# Allegro board controller_layout.brd (continued)
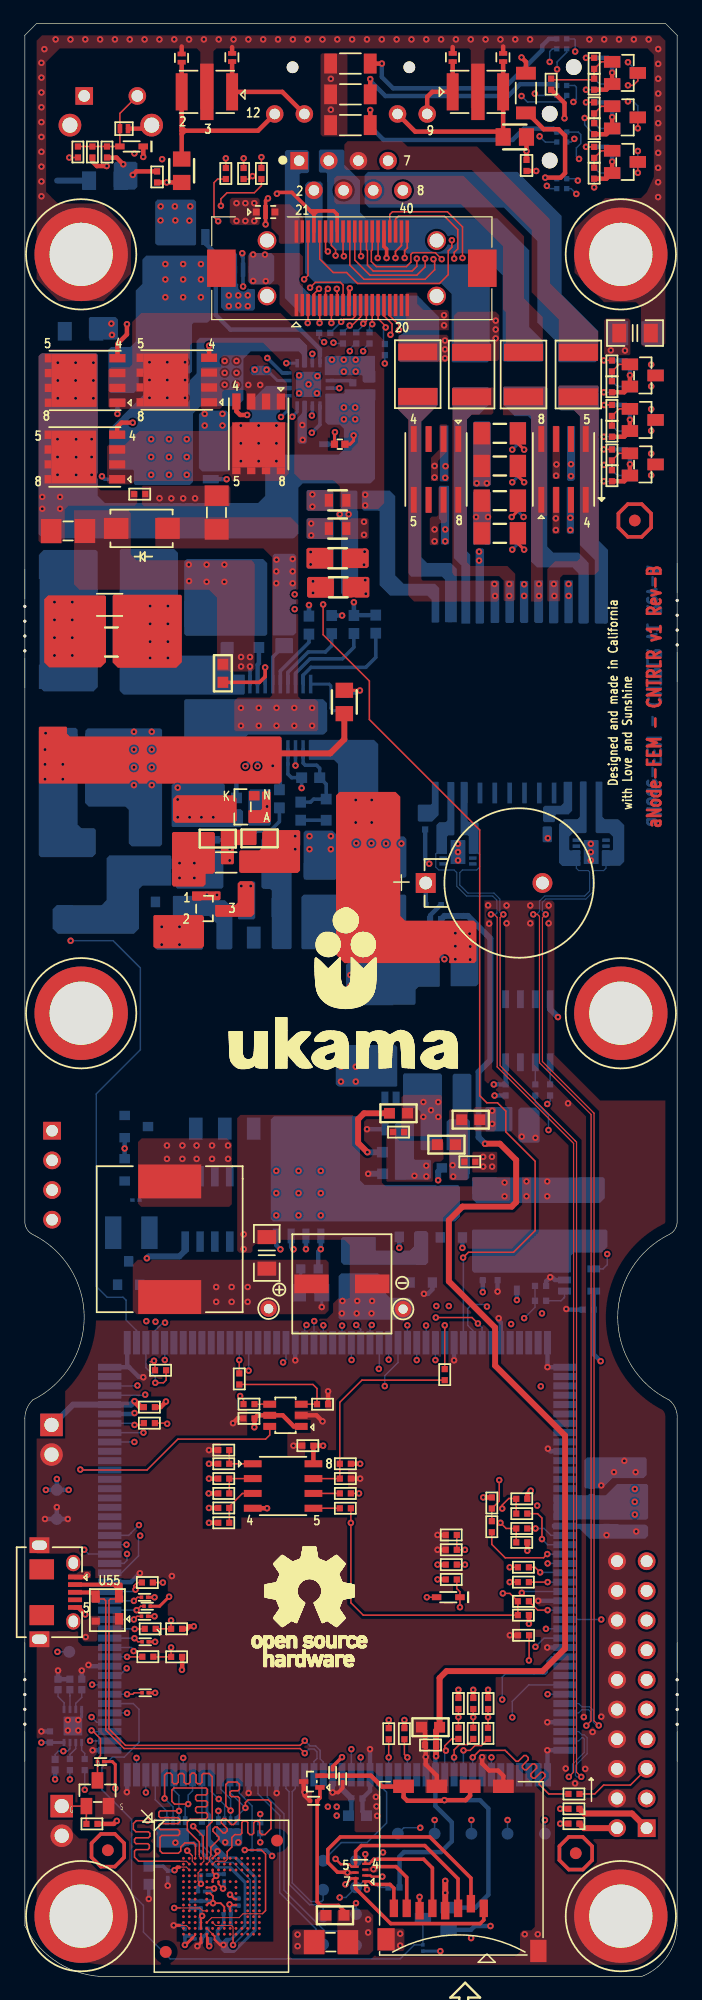
[diagram p0: board, top side]
## Library data of the parts
BT1 = BATTERY
C1 C2 = CAP_CER_X2Y_0603_100pF_20%
C3-C5 C15 C17 C25-C28 C30 C39 C40 C48 C49 C55 = CAP_CER_0.1UF_10V_10%_X5R_0402
C6 C23 = NFM18PC
C7 C22 C24 = CAP_CER_0.1UF_10V_10%_X5R_0402: Tolerance: tol*
C8-C12 C31 C32 C34 C35 C37 C38 C41 C43 C45-C47 = CAP_0.1uF_16V
C13 C42 = CAP_0.1uF_16V: Tolerance: tol*
C14 C29 C33 C36 = CAP
C16 = CAP CER 0.1UF 25V 10% X7R 0402
C18 C50 C52 C57 = C0603 2_0.2
C19 C44 C51 C53 C54 C56 = C0402_100nF
C20 C21 C58-C71 = C
CN1 = SD_MICRO_MSPN09-X0-1002_3
D1-D5 = SMDJ36CA
D6 D9 D23 = RB751S40
D7 D13 = SMAJ60A
D8 = BAS316,115_6
D10 = D5V0L2B3T
D11 = MMSZ5254B-7-F_8
D12 = DIODE_SCHOTTKY
D14 = BAS316,115_9
D15 = BAS316,115_8
D17 = AS431ANTR_G1_3
D18 = BAS316,115_7
D19 = BAV99/SOT_1
D20 = BAS316,115_5
D21 D22 = BZX84C12/SOT_0
D10118 D10119 = RB751S40_0
F1-F4 F6-F8 = FUSE_0
F5 = FUSE_2
FB1-FB4 = FB_1
J1 = FX23L-50-P-0_0.5SV10
J2 = DX4R205JJAR1800_0
J3 = RJ45_CONN_0
J4 = CONN HDR 4 PIN_0
J5 = eJTAG Header_5
JP1 JP2 = Header_1X2: room: DCDC-BOOST
L1-L3 = INDUCTOR IRON/SM
LED1 = 5977717507F_0
LED2 LED3 = LED_GREEN
M1 M3 = FDMC8327L_7
M2 = FDMC8327L_2
MH1-MH6 = Mounting_Hole_0
NR1 NR2 = RES_ARRAY2
Q1-Q4 Q7 Q10 Q12-Q14 Q16 Q18 Q21 Q54 Q55 = DMG1012T_7_NFet
Q5 Q6 Q8 Q9 Q15 Q17 Q19 Q20 = FDMC8327L_0
Q11 = MOSFET N-SO8_0
Q22 = MMBTA06LT3G_0
Q23 = MMBTA06LT3G_1
R1 R2 R4-R7 R12 R15-R18 R20 R24 R44 R96 R98 R100 R102 R105 R109 = RES_0ohm_0402_63mW
R3 R8 R14 R19 R21 R26 R45 R46 R55 R56 R63 R73 R76 R80 R89 R95 R97 R99 R101 R104 R107 R144 R145 R10791 R10792 R10795 = R0402 10K
R9 R13 R22 R25 R27-R32 R106 R108 R110 R111 R134-R137 = R_1
R10 R33-R40 R93 R94 R112-R122 R126-R129 R132 = RES_0.0_OHM_1/16W_0402_SMD
R11 R64 R65 R77 R82-R84 R130 R131 = RES_10K_OHM_1/16W_1%_0402_SMD
R23 = 100K-1/16W-5%-0603_0
R41 R42 R47 R54 R59 R61 R62 R66 R68 R71 R75 R79 R88 R124 R125 R133 R139 R141 R155-R158 R10800 = RES_0ohm_0402_1
R43 = RES_0ohm_0402_1: signal model: DEFAULT_RESISTOR_3e-012OHM_2_1
R48 = RES SMD 10K OHM 5% 1/16W 0402_0
R49 R51 R52 R60 = RES SMD 100K OHM 1% 1/16W 0402
R50 R53 R57 = RES SMD 10K OHM 5% 1/16W 0402
R58 R138 = RES_0ohm_0402_0
R67 = RES_10K_OHM_1/16W_5%_0402_SMD
R69 R140 = RES_0ohm_0402_1: signal model: RES_0OHM_0402_1_R0402_22E_22E
R70 R72 R74 R78 R81 R90 R91 R142 R143 R10793 R10794 = R
R85-R87 R92 = RES_0ohm_0402_1: signal model: RES_0OHM_0402_1_R0402_0E_0E
R103 = RES_1.0_OHM_1/16W_0402_SMD
S1 = SWITCH_0
S2 = SWITCH_2
T1 = TRANS-DA2125_5
T2 = TRAN_ISDN_0
TP1 TP2 = TP_TH_SML
TP3-TP18 = T POINT R
U1 U9 = SEP0640Q38CB_23
U2 U10 = SEP0640Q38CB_21
U3 = SN74LVC1G97DBVR
U4 = CAT24C256WI-GT3
U5 = PRTR5V0U2X
U6 = IC_TVS-ARR_6LINE_UNI_7P
U7 = EMMC_NAND_FBGA169_5
U8 = LT4321_QFN_0
U11 = TPS23754PWP
U12 = TCLAMP2502NTCT_1
U13 = TCLAMP2502NTCT_2
U14 = TPC817
U15 = ATECC508A-SSHDA
U16 = ADM6316_3
U17 = ATSAMA5D27-SOM1
U18 = SE98ATP,547_1

## Footprints (pads in the part's own frame, mm; a bottom-side part is the same pattern mirrored in y, then rotated)
AMPHENOL_MRJ-5384-M1
  round 1.001 hole 1.999 unplated: (-0.56,-8) (9.44,-8)
  rect 1.5x1.5 hole 0.9: 1(0,0)
  round 1.5 hole 0.9: 2(1.27,2.54) 3(2.54,0) 4(3.81,2.54) 5(5.08,0) 6(6.35,2.54) 7(7.62,0) 8(8.89,2.54) 9(10.97,-4) 10(8.43,-4) 11(0.45,-4) 12(-2.09,-4)
BAT_CR-1220HFN
  rect 1.702x1.702 hole 1.1: 1(0,0)
  round 1.702 hole 1.1: 2(-10,0)
BERG-4
  rect 1.52x1.52 hole 1: 1(0,0)
  round 1.52 hole 1: 2(2.54,0) 3(5.08,0) 4(7.62,0)
BERG_10X2_2_54P
  rect 1.52x1.52 hole 1.02: 1(0,0)
  round 1.52 hole 1.02: 2(0,-2.54) 3(2.54,0) 4(2.54,-2.54) 5(5.08,0) 6(5.08,-2.54) 7(7.62,0) 8(7.62,-2.54) 9(10.16,0) 10(10.16,-2.54) 11(12.7,0) 12(12.7,-2.54) 13(15.24,0) 14(15.24,-2.54) 15(17.78,0) 16(17.78,-2.54) 17(20.32,0) 18(20.32,-2.54) 19(22.86,0) 20(22.86,-2.54)
C0201
  rect 0.381x0.305 smd: 1(-0.305,0) 2(0.305,0)
C0402
  rect 0.533x0.533 smd: 1(-0.475,0) 2(0.475,0)
C0603
  rect 0.94x0.914 smd: 1(-0.775,0) 2(0.775,0)
C0805
  rect 1.15x1.45 smd: 1(-0.9,0) 2(0.9,0)
C1206
  rect 1.2x1.6 smd: 1(-1.35,0) 2(1.35,0)
CAP_2P_4_90X3_60_1_50MM
  rect 0.95x3.599 smd: 1(-2.349,0) 2(2.349,0)
CAP_2P_5_30X5_30_6_10MM
  rect 2.751x1.6 smd: 1(-2.149,0) 2(2.149,0)
CAP_2P_8_50X8_50_5_50MM
  rect 2.95x1.6 smd: 1(-2.6,0) 2(2.6,0)
CAP_2P_8_50X8_50_10_50MM
  rect 4.15x2.1 smd: 1(-3.65,0) 2(3.65,0)
CC0402
  rect 0.533x0.533 smd: 1(-0.475,0) 2(0.475,0)
CC0603
  rect 0.94x0.914 smd: 1(-0.775,0) 2(0.775,0)
CC0805
  rect 1.295x1.499 smd: 1(-1,0) 2(1,0)
CC1210
  rect 1.397x2.794 smd: 1(-1.55,0) 2(1.55,0)
CON_40P_22_50X7_90_17_10MM_P
  rect 3.2x2.45 smd: (0,11.175) (0,-11.175)
  rect 1.9x0.3 smd: 1(-3.15,4.75) 2(-3.15,4.25) 3(-3.15,3.75) 4(-3.15,3.25) 5(-3.15,2.75) 6(-3.15,2.25) 7(-3.15,1.75) 8(-3.15,1.25) 9(-3.15,0.75) 10(-3.15,0.25) 11(-3.15,-0.25) 12(-3.15,-0.75) 13(-3.15,-1.25) 14(-3.15,-1.75) 15(-3.15,-2.25) 16(-3.15,-2.75) 17(-3.15,-3.25) 18(-3.15,-3.75) 19(-3.15,-4.25) 20(-3.15,-4.75) 21(3.15,4.75) 22(3.15,4.25) 23(3.15,3.75) 24(3.15,3.25) 25(3.15,2.75) 26(3.15,2.25) 27(3.15,1.75) 28(3.15,1.25) 29(3.15,0.75) 30(3.15,0.25) 31(3.15,-0.25) 32(3.15,-0.75) 33(3.15,-1.25) 34(3.15,-1.75) 35(3.15,-2.25) 36(3.15,-2.75) 37(3.15,-3.25) 38(3.15,-3.75) 39(3.15,-4.25) 40(3.15,-4.75)
  round 1.6 hole 1.2: PC1(-2.375,7.265) PC2(-2.375,-7.265) PC3(2.375,7.265) PC4(2.375,-7.265)
DFN98X58X50-2N_NXP
  rect 0.399x0.701 smd: 1(-0.35,0) 2(0.35,0)
DO214AC_2P_2_290MM
  rect 2.101x1.801 smd: A(-2.2,0) K(2.2,0)
EMIFIL_101X43W474MV4E
  rect 1.02x3.18 smd: 1(-2.16,0) 2(2.16,0)
  rect 1.14x4.83 smd: 3(0,0)
EMIFIL_NFM18PC225B1A3B
  rect 0.6x0.6 smd: 1(-0.8,0) 3(0.8,0)
  rect 0.4x1.2 smd: 2(0,0)
FB_1206
  rect 1.76x2.06 smd: 1(-1.445,0) 2(1.445,0)
FUSE_1812L05060
  rect 1.45x3.35 smd: 1(-1.9,0) 2(1.9,0)
HTSSOP_20P_4_50X6_60_1_20MM
  rect 1.6x0.3 smd: 1(-2.8,2.925) 2(-2.8,2.275) 3(-2.8,1.625) 4(-2.8,0.975) 5(-2.8,0.325) 6(-2.8,-0.325) 7(-2.8,-0.975) 8(-2.8,-1.625) 9(-2.8,-2.275) 10(-2.8,-2.925) 11(2.8,-2.925) 12(2.8,-2.275) 13(2.8,-1.625) 14(2.8,-0.975) 15(2.8,-0.325) 16(2.8,0.325) 17(2.8,0.975) 18(2.8,1.625) 19(2.8,2.275) 20(2.8,2.925)
  rect 2.4x3.7 smd: 21(0,0)
IND_2P_5_00X5_00_3_00MM
  rect 2x5.3 smd: 1(-1.75,0) 2(1.75,0)
IND_2P_12_50X12_50_8_00MM
  rect 2.9x5.4 smd: 1(-4.95,0) 2(4.95,0)
LED_5977717507F
  rect 0.45x0.45 smd: 1(-5.56,-0.425) 2(-6.41,-0.425) 3(-6.41,0.425) 4(-5.56,0.425) 5(-1.57,-0.425) 6(-2.42,-0.425) 7(-2.42,0.425) 8(-1.57,0.425) 9(2.42,-0.425) 10(1.57,-0.425) 11(1.57,0.425) 12(2.42,0.425) 13(6.41,-0.425) 14(5.56,-0.425) 15(5.56,0.425) 16(6.41,0.425)
LED_LTST-C190
  rect 0.787x0.787 smd: A(-0.749,0) K(0.749,0)
MICROSD_ATTEND_NEW
  rect 0.711x1.499 smd: 1(8.92,1.15) 2(7.82,1.55) 3(6.72,1.15) 4(5.62,0.95) 5(4.52,1.15) 6(3.42,0.95) 7(2.32,1.15) 8(1.22,1.15)
  rect 1.778x1.143 smd: 9(2.05,11.6) 10(7.75,11.6) 11(4.9,11.6) 12(10.6,11.6)
  rect 1.473x1.905 smd: 13(0.55,-1.5)
  rect 1.397x1.905 smd: 14(13.6,-2.5)
MOD_176P_40_00X38_00_2_80MM
  rect 2x0.6 smd: 1(-19.5,16.4) 2(-19.5,15.6) 3(-19.5,14.8) 4(-19.5,14) 5(-19.5,13.2) 6(-19.5,12.4) 7(-19.5,11.6) 8(-19.5,10.8) 9(-19.5,10) 10(-19.5,9.2) 11(-19.5,8.4) 12(-19.5,7.6) 13(-19.5,6.8) 14(-19.5,6) 15(-19.5,5.2) 16(-19.5,4.4) 17(-19.5,3.6) 18(-19.5,2.8) 19(-19.5,2) 20(-19.5,1.2) 21(-19.5,0.4) 22(-19.5,-0.4) 23(-19.5,-1.2) 24(-19.5,-2) 25(-19.5,-2.8) 26(-19.5,-3.6) 27(-19.5,-4.4) 28(-19.5,-5.2) 29(-19.5,-6) 30(-19.5,-6.8) 31(-19.5,-7.6) 32(-19.5,-8.4) 33(-19.5,-9.2) 34(-19.5,-10) 35(-19.5,-10.8) 36(-19.5,-11.6) 37(-19.5,-12.4) 38(-19.5,-13.2) 39(-19.5,-14) 40(-19.5,-14.8) 41(-19.5,-15.6) 42(-19.5,-16.4) 89(19.5,-16.4) 90(19.5,-15.6) 91(19.5,-14.8) 92(19.5,-14) 93(19.5,-13.2) 94(19.5,-12.4) 95(19.5,-11.6) 96(19.5,-10.8) 97(19.5,-10) 98(19.5,-9.2) 99(19.5,-8.4) 100(19.5,-7.6) 101(19.5,-6.8) 102(19.5,-6) 103(19.5,-5.2) 104(19.5,-4.4) 105(19.5,-3.6) 106(19.5,-2.8) 107(19.5,-2) 108(19.5,-1.2) 109(19.5,-0.4) 110(19.5,0.4) 111(19.5,1.2) 112(19.5,2) 113(19.5,2.8) 114(19.5,3.6) 115(19.5,4.4) 116(19.5,5.2) 117(19.5,6) 118(19.5,6.8) 119(19.5,7.6) 120(19.5,8.4) 121(19.5,9.2) 122(19.5,10) 123(19.5,10.8) 124(19.5,11.6) 125(19.5,12.4) 126(19.5,13.2) 127(19.5,14) 128(19.5,14.8) 129(19.5,15.6) 130(19.5,16.4)
  rect 0.6x2 smd: 43(-18,-18.5) 44(-17.2,-18.5) 45(-16.4,-18.5) 46(-15.6,-18.5) 47(-14.8,-18.5) 48(-14,-18.5) 49(-13.2,-18.5) 50(-12.4,-18.5) 51(-11.6,-18.5) 52(-10.8,-18.5) 53(-10,-18.5) 54(-9.2,-18.5) 55(-8.4,-18.5) 56(-7.6,-18.5) 57(-6.8,-18.5) 58(-6,-18.5) 59(-5.2,-18.5) 60(-4.4,-18.5) 61(-3.6,-18.5) 62(-2.8,-18.5) 63(-2,-18.5) 64(-1.2,-18.5) 65(-0.4,-18.5) 66(0.4,-18.5) 67(1.2,-18.5) 68(2,-18.5) 69(2.8,-18.5) 70(3.6,-18.5) 71(4.4,-18.5) 72(5.2,-18.5) 73(6,-18.5) 74(6.8,-18.5) 75(7.6,-18.5) 76(8.4,-18.5) 77(9.2,-18.5) 78(10,-18.5) 79(10.8,-18.5) 80(11.6,-18.5) 81(12.4,-18.5) 82(13.2,-18.5) 83(14,-18.5) 84(14.8,-18.5) 85(15.6,-18.5) 86(16.4,-18.5) 87(17.2,-18.5) 88(18,-18.5) 131(18,18.5) 132(17.2,18.5) 133(16.4,18.5) 134(15.6,18.5) 135(14.8,18.5) 136(14,18.5) 137(13.2,18.5) 138(12.4,18.5) 139(11.6,18.5) 140(10.8,18.5) 141(10,18.5) 142(9.2,18.5) 143(8.4,18.5) 144(7.6,18.5) 145(6.8,18.5) 146(6,18.5) 147(5.2,18.5) 148(4.4,18.5) 149(3.6,18.5) 150(2.8,18.5) 151(2,18.5) 152(1.2,18.5) 153(0.4,18.5) 154(-0.4,18.5) 155(-1.2,18.5) 156(-2,18.5) 157(-2.8,18.5) 158(-3.6,18.5) 159(-4.4,18.5) 160(-5.2,18.5) 161(-6,18.5) 162(-6.8,18.5) 163(-7.6,18.5) 164(-8.4,18.5) 165(-9.2,18.5) 166(-10,18.5) 167(-10.8,18.5) 168(-11.6,18.5) 169(-12.4,18.5) 170(-13.2,18.5) 171(-14,18.5) 172(-14.8,18.5) 173(-15.6,18.5) 174(-16.4,18.5) 175(-17.2,18.5) 176(-18,18.5)
MTG370X800
  round 8 hole 5.41: 1(0,0)
QFN65P400X400X80-17N
  rect 0.72x0.3 smd: 1(-1.815,0.975) 2(-1.815,0.325) 3(-1.815,-0.325) 4(-1.815,-0.975) 9(1.815,-0.975) 10(1.815,-0.325) 11(1.815,0.325) 12(1.815,0.975)
  rect 0.3x0.72 smd: 5(-0.975,-1.815) 6(-0.325,-1.815) 7(0.325,-1.815) 8(0.975,-1.815) 13(0.975,1.815) 14(0.325,1.815) 15(-0.325,1.815) 16(-0.975,1.815)
  rect 2.15x2.15 smd: 17(0,0)
R0201
  rect 0.305x0.305 smd: 1(-0.267,0) 2(0.267,0)
R0402
  rect 0.533x0.533 smd: 1(-0.475,0) 2(0.475,0)
R0603
  rect 0.94x0.914 smd: 1(-0.775,0) 2(0.775,0)
R0805
  rect 1.295x1.499 smd: 1(-1,0) 2(1,0)
R1206
  rect 1.1x1.699 smd: 1(-1.699,0) 2(1.699,0)
R1210
  rect 1.397x2.794 smd: 1(-1.55,0) 2(1.55,0)
RC0402
  rect 0.62x0.62 smd: 1(-0.45,0) 2(0.45,0)
RC0603
  rect 0.711x1.092 smd: 1(-0.75,0) 2(0.75,0)
RC0805
  rect 1.295x1.499 smd: 1(-1,0) 2(1,0)
RC1206
  rect 1.397x1.905 smd: 1(-1.549,0) 2(1.549,0)
SM_2P_6_70X6_70_3_30MM
  rect 1.5x2.5 smd: 1(-3,0) 2(3,0)
SM_4_SOT143_120X55_50H
  rect 1x0.7 smd: 1(-0.75,-1)
  rect 0.6x0.7 smd: 2(0.95,-1) 3(0.95,1) 4(-0.95,1)
SM_5P_6_25X5_26_1_12MM
  rect 1.27x0.61 smd: 1(-2.67,1.905) 2(-2.67,0.635) 3(-2.67,-0.635) 4(-2.67,-1.905)
  rect 4.42x4.52 smd: 5(0.995,0)
SMA_2P_4_57X2_92_2_62MM
  rect 2.301x2.4 smd: A(2.601,0) K(-2.601,0)
SMR4X0402
  rect 0.406x0.762 smd: 1(-0.787,-0.508) 4(0.787,-0.508) 5(0.787,0.508) 8(-0.787,0.508)
  rect 0.305x0.762 smd: 2(-0.254,-0.508) 3(0.254,-0.508) 6(0.254,0.508) 7(-0.254,0.508)
SO8
  rect 0.584x1.524 smd: 1(-1.905,-2.7) 2(-0.635,-2.7) 3(0.635,-2.7) 4(1.905,-2.7) 5(1.905,2.7) 6(0.635,2.7) 7(-0.635,2.7) 8(-1.905,2.7)
SOD523F_2P_1_30X0_90_0_70MM
  rect 0.813x0.508 smd: A(1,0) K(-1,0)
SOD882_2P_0_62X1_02_0_50MM
  rect 0.4x0.8 smd: 1(-0.35,0) 2(0.35,0)
SOD2513X120N_A
  rect 0.9x0.5 smd: 1(-1.25,0) 2(1.25,0)
SODFL1608X70N_B
  rect 0.48x0.399 smd: 1(-0.66,0) 2(0.66,0)
SOIC127P600X175-8N_ON-SEMI
  rect 1.52x0.6 smd: 1(-2.6,1.905) 2(-2.6,0.635) 3(-2.6,-0.635) 4(-2.6,-1.905) 5(2.6,-1.905) 6(2.6,-0.635) 7(2.6,0.635) 8(2.6,1.905)
SOIC_8P_5_00X4_00_1_75MM_V1
  rect 1.75x0.65 smd: 1(-2.799,1.905) 2(-2.799,0.635) 3(-2.799,-0.635) 4(-2.799,-1.905) 5(2.799,-1.905) 6(2.799,-0.635) 7(2.799,0.635) 8(2.799,1.905)
SON50P260X260X65-11N
  rect 0.65x0.3 smd: 1(-1.27,1.016) 2(-1.27,0.508) 3(-1.27,0) 4(-1.27,-0.508) 5(-1.27,-1.016) 6(1.27,-1.016) 7(1.27,-0.508) 8(1.27,0) 9(1.27,0.508) 10(1.27,1.016)
  rect 1.26x2.05 smd: 11(0,0)
SON50P300X200X80-9N_NXP
  rect 0.25x0.625 smd: 1(-0.75,-1.412) 2(-0.25,-1.412) 3(0.25,-1.412) 4(0.75,-1.412) 5(0.75,1.412) 6(0.25,1.412) 7(-0.25,1.412) 8(-0.75,1.412)
  rect 1.6x1.6 smd: 9(0,0)
SON127P600X500X105-8N_TI
  rect 1.372x0.71 smd: 1(-2.77,1.905) 2(-2.77,0.635) 3(-2.77,-0.635) 4(-2.77,-1.905)
  rect 0.59x0.71 smd: 5(3.161,-1.905) 6(3.161,-0.635) 7(3.161,0.635) 8(3.161,1.905)
  rect 3.85x4.52 smd: 9(0.941,0)
SON127P600X500X163-8N
  rect 2.21x0.508 smd: 1(-2.604,1.905) 2(-2.604,0.635) 3(-2.604,-0.635) 4(-2.604,-1.905) 5(2.604,-1.905) 6(2.604,-0.635) 7(2.604,0.635) 8(2.604,1.905)
SOP259P1005X368-4N
  rect 1.56x1.389 smd: 1(-4.58,1.295) 2(-4.58,-1.295) 3(4.58,-1.295) 4(4.58,1.295)
SOT23_3P_3_04X1_40_1_11MM_ACC
  rect 0.899x0.8 smd: A(-0.95,-1.001) C(0,1.001) K(0.95,-1.001)
SOT23_3P_3_04X1_40_1_11MM_ANC
  rect 0.899x0.8 smd: A(-1.001,0.95) K(1.001,0) N(-1.001,-0.95)
SOT23_3P_3_04X1_40_1_11MM_BEC
  rect 0.899x0.8 smd: B(-1.001,0.95) C(1.001,0) E(-1.001,-0.95)
SOT23_3P_3_04X1_40_1_12MM_GSD
  rect 0.559x0.724 smd: 1(-0.95,-0.96) 2(0.95,-0.96) 3(0,1.011)
SOT23_5P_3_05X1_75_1_45MM
  rect 1.049x0.599 smd: 1(-1.349,0.95) 2(-1.349,0) 3(-1.349,-0.95) 4(1.349,-0.95) 5(1.349,0.95)
SOT23_6P_1_75X3_05_1_45MM
  rect 1.1x0.6 smd: 1(-1.35,0.95) 2(-1.35,0) 3(-1.35,-0.95) 4(1.35,-0.95) 5(1.35,0) 6(1.35,0.95)
SOT50P160X90-3N
  rect 0.4x0.8 smd: 1(-0.5,-0.7) 2(0.5,-0.7) 3(0,0.7)
SOT95P280X145-5N_B
  rect 0.6x1.1 smd: 1(-0.95,-1.25) 2(0,-1.25) 3(0.95,-1.25) 4(0.95,1.25) 5(-0.95,1.25)
SOT-23_3P_1_50X3_12_1_20MM_GSD
  rect 1x1.4 smd: D(0,1.1) G(-0.95,-1.1) S(0.95,-1.1)
SW_4P_6_00X6_00_5_23MM
  rect 1.4x2.1 smd: 1(2.25,4.549) 2(2.25,-4.549) 3(-2.25,4.549) 4(-2.25,-4.549)
SW_TL1105JAF160Q
  rect 1.508x1.508 hole 1: 1(-2.275,0)
  round 1.508 hole 1: 2(2.275,0)
  round 1.95 hole 1.3: 3(-3.5,2.5) 4(3.5,2.5)
TH_1P_0_80X1_40MM
  round 1.399 hole 0.8: 1(0,0)
TH_2_HDR2X1_100_ST_330H
  rect 1.93x1.93 hole 1.219: 1(0,0)
  round 1.93 hole 1.219: 2(0,-2.54)
TP_40C
  round 1.016 smd: 1(0,0)
TRANS_10P_13_46X16_36_12_70MM
  rect 1.88x1.17 smd: 1(-8.18,-4.96) 2(-8.18,-2.48) 3(-8.18,0) 4(-8.18,2.48) 5(-8.18,4.96) 6(8.18,4.96) 7(8.18,2.48) 8(8.18,0) 9(8.18,-2.48) 10(8.18,-4.96)
unnamed
  round 1 smd: 1(0,0)
unnamed#2
  round 0.254 hole 1.092 unplated: (-1.905,0) (1.905,0)
  round 0.254 hole 0.508 unplated: (-0.635,0) (0.635,0)
unnamed#4
  round 1.35 hole 1.45 unplated: (0,0) (4,0) (8,2.06)
USB_5P_7_70X5_20_2_65MM
  oval 1.399x1.199 hole 1.001x0.8: (-2.499,-0.15) (2.499,-0.15)
  rect 1.72x2.101 smd: (-1.961,-2.85) (1.961,-2.85)
  rect 0.399x1.199 smd: 1(-1.301,0) 2(-0.65,0) 3(0,0) 4(0.65,0) 5(1.301,0)
  rect 1.349x1.699 hole 0.8x1.301: 6(-4.026,-3.05) 7(4.026,-3.05)
WFBGA_EMMC153
  round 1.016 smd: (-4.768,-4.768) (4.768,4.768)
  round 0.24 smd: A1(-3.25,3.25) A2(-2.75,3.25) A3(-2.25,3.25) A4(-1.75,3.25) A5(-1.25,3.25) A6(-0.75,3.25) A7(-0.25,3.25) A8(0.25,3.25) A9(0.75,3.25) A10(1.25,3.25) A11(1.75,3.25) A12(2.25,3.25) A13(2.75,3.25) A14(3.25,3.25) B1(-3.25,2.75) B2(-2.75,2.75) B3(-2.25,2.75) B4(-1.75,2.75) B5(-1.25,2.75) B6(-0.75,2.75) B7(-0.25,2.75) B8(0.25,2.75) B9(0.75,2.75) B10(1.25,2.75) B11(1.75,2.75) B12(2.25,2.75) B13(2.75,2.75) B14(3.25,2.75) C1(-3.25,2.25) C2(-2.75,2.25) C3(-2.25,2.25) C4(-1.75,2.25) C5(-1.25,2.25) C6(-0.75,2.25) C7(-0.25,2.25) C8(0.25,2.25) C9(0.75,2.25) C10(1.25,2.25) C11(1.75,2.25) C12(2.25,2.25) C13(2.75,2.25) C14(3.25,2.25) D1(-3.25,1.75) D2(-2.75,1.75) D3(-2.25,1.75) D4(-1.75,1.75) D12(2.25,1.75) D13(2.75,1.75) D14(3.25,1.75) E1(-3.25,1.25) E2(-2.75,1.25) E3(-2.25,1.25) E5(-1.25,1.25) E6(-0.75,1.25) E7(-0.25,1.25) E8(0.25,1.25) E9(0.75,1.25) E10(1.25,1.25) E12(2.25,1.25) E13(2.75,1.25) E14(3.25,1.25) F1(-3.25,0.75) F2(-2.75,0.75) F3(-2.25,0.75) F5(-1.25,0.75) F10(1.25,0.75) F12(2.25,0.75) F13(2.75,0.75) F14(3.25,0.75) G1(-3.25,0.25) G2(-2.75,0.25) G3(-2.25,0.25) G5(-1.25,0.25) G10(1.25,0.25) G12(2.25,0.25) G13(2.75,0.25) G14(3.25,0.25) H1(-3.25,-0.25) H2(-2.75,-0.25) H3(-2.25,-0.25) H5(-1.25,-0.25) H10(1.25,-0.25) H12(2.25,-0.25) H13(2.75,-0.25) H14(3.25,-0.25) J1(-3.25,-0.75) J2(-2.75,-0.75) J3(-2.25,-0.75) J5(-1.25,-0.75) J10(1.25,-0.75) J12(2.25,-0.75) J13(2.75,-0.75) J14(3.25,-0.75) K1(-3.25,-1.25) K2(-2.75,-1.25) K3(-2.25,-1.25) K5(-1.25,-1.25) K6(-0.75,-1.25) K7(-0.25,-1.25) K8(0.25,-1.25) K9(0.75,-1.25) K10(1.25,-1.25) K12(2.25,-1.25) K13(2.75,-1.25) K14(3.25,-1.25) L1(-3.25,-1.75) L2(-2.75,-1.75) L3(-2.25,-1.75) L12(2.25,-1.75) L13(2.75,-1.75) L14(3.25,-1.75) M1(-3.25,-2.25) M2(-2.75,-2.25) M3(-2.25,-2.25) M4(-1.75,-2.25) M5(-1.25,-2.25) M6(-0.75,-2.25) M7(-0.25,-2.25) M8(0.25,-2.25) M9(0.75,-2.25) M10(1.25,-2.25) M11(1.75,-2.25) M12(2.25,-2.25) M13(2.75,-2.25) M14(3.25,-2.25) N1(-3.25,-2.75) N2(-2.75,-2.75) N3(-2.25,-2.75) N4(-1.75,-2.75) N5(-1.25,-2.75) N6(-0.75,-2.75) N7(-0.25,-2.75) N8(0.25,-2.75) N9(0.75,-2.75) N10(1.25,-2.75) N11(1.75,-2.75) N12(2.25,-2.75) N13(2.75,-2.75) N14(3.25,-2.75) P1(-3.25,-3.25) P2(-2.75,-3.25) P3(-2.25,-3.25) P4(-1.75,-3.25) P5(-1.25,-3.25) P6(-0.75,-3.25) P7(-0.25,-3.25) P8(0.25,-3.25) P9(0.75,-3.25) P10(1.25,-3.25) P11(1.75,-3.25) P12(2.25,-3.25) P13(2.75,-3.25) P14(3.25,-3.25)
XFMR_ETH1-460LD
  rect 1.78x0.4 smd: 1(-7.76,6.985) 2(-7.76,5.715) 3(-7.76,4.445) 4(-7.76,3.175) 5(-7.76,1.905) 6(-7.76,0.635) 7(-7.76,-0.635) 8(-7.76,-1.905) 9(-7.76,-3.175) 10(-7.76,-4.445) 11(-7.76,-5.715) 12(-7.76,-6.985) 13(7.76,-6.985) 14(7.76,-5.715) 15(7.76,-4.445) 16(7.76,-3.175) 17(7.76,-1.905) 18(7.76,-0.635) 19(7.76,0.635) 20(7.76,1.905) 21(7.76,3.175) 22(7.76,4.445) 23(7.76,5.715) 24(7.76,6.985)
XSON50P110X212X50-7N
  rect 0.53x0.2 smd: 1(-0.415,0.75) 2(-0.415,0.25) 3(-0.415,-0.25) 4(-0.415,-0.75) 5(0.415,-0.5) 6(0.415,0) 7(0.415,0.5)

## Nets
GND: BT1.2(-) C3.1 C4.2(B[0]) C5.2(B[0]) C6.2(GND) C7.2(B[0]) C13.2 C14.2 C15.1 C16.2 C17.2 C18.2 C19.2 C20.2 C21.2 C22.2(B[0]) C23.2(GND) C39.1(A[0]) C40.1(A[0]) C43.2 C44.2 C45.2 C48.1 C49.1 C50.2 C51.2 C52.2 C53.2 C54.2 C55.2(B[0]) C56.2 C57.2 C58.2 C59.2 C60.2 C61.2 C62.2 C63.2 C64.2 C65.2 C66.2 C67.2 C68.2 C69.2 C70.2 C71.2 CN1.6(VSS) CN1.11(SHIELD1) CN1.12(SHIELD2) CN1.13(SHIELD3) CN1.14(SHIELD4) D5.2 D10.3 D17.5(A) D21.A(ANODE) D22.A(ANODE) FB4.2 J1.10 J1.20 J1.24 J1.28 J1.36 J2.5(GND) J2.6(SH1) J2.7(SH2) J4.4 J5.4 J5.6 J5.8 J5.10 J5.12 J5.14 J5.16 J5.18 J5.20 JP1.2 JP2.2 LED3.K M2.1(S1) M2.2(S2) M2.3(S3) M3.1(S1) M3.2(S2) M3.3(S3) MH3.1 MH4.1 MH5.1 MH6.1 Q1.S Q2.S Q3.S Q4.S Q7.S Q10.S Q12.S Q13.S Q14.S Q16.S Q18.S Q21.S Q54.S Q55.S R3.2 R8.2 R14.2 R19.2 R21.2 R26.2 R45.2 R48.2 R52.2 R53.2 R57.2 R64.2 R77.2 R83.2 R91.1 R95.2 R97.2 R99.2 R101.2 R104.2 R107.2 R127.1 R131.2 R134.2(B[0]) R135.2(B[0]) R136.2(B[0]) S1.1 S1.3 S1.4 S2.1 S2.2 TP2.1 TP4.1(TP) U3.2(GND) U4.4(VSS) U5.1 U6.2(GND) U7.A6(VSS5) U7.C4(VSSQ1) U7.E7(VSS1) U7.G5(VSS2) U7.H10(VSS3) U7.J5(VSS6) U7.K8(VSS4) U7.N2(VSSQ2) U7.N5(VSSQ3) U7.P4(VSSQ4) U7.P6(VSSQ5) U12.11(CT) U13.11(CT) U15.4(GND) U16.2(GND) U17.1(GND_0) U17.10(GND_1) U17.18(GND_2) U17.26(GND_3) U17.31(GND_4) U17.39(GND_5) U17.42(GND_6) U17.43(GND_7) U17.50(GND_8) U17.56(GND_9) U17.62(GND_10) U17.66(GND_11) U17.69(GND_12) U17.72(GND_13) U17.75(GND_14) U17.88(GND_15) U17.89(GND_16) U17.98(GND_17) U17.107(GND_18) U17.130(GND_19) U17.131(GND_20) U17.149(GND_21) U17.166(GND_22) U17.171(GND_23) U17.176(GND_24) U18.4(VSS) U18.9(TP)
GND_SIGNAL: C9.2 C10.2 C11.2 C29.2 C33.2 C34.2 C35.2 C36.2 C41.2 C43.1 D8.K D13.K D14.A Q11.2(SRC) R36.1 R112.1 R113.1 R114.1 R115.1 R122.1 T2.5 U11.4(COM) U11.8(ARTN) U11.9(RTN) U14.3
VDD_3V3: C4.1(A[0]) C5.1(A[0]) C6.1(IN) C15.2 C16.1 C44.1 C49.2 C50.1 C51.1 C52.1 C53.1 C54.1 C55.1(A[0]) C56.1 C57.1 C59.1 C61.1 C62.1 C63.1 C64.1 C65.1 C66.1 C67.1 C68.1 C69.1 C70.1 C71.1 D6.K D23.K D10119.1(A) FB3.1 J4.1 NR1.1(N1) NR1.2(N2) NR1.3(N3) NR1.4(N4) NR2.1(N1) NR2.2(N2) NR2.3(N3) NR2.4(N4) R9.2(B[0]) R11.1 R13.2(B[0]) R46.1 R49.1 R50.1 R51.1 R55.1 R56.1 R60.1 R63.1 R65.1 R67.1 R70.2 R72.2 R73.1 R74.2 R76.1 R78.2 R80.1 R81.2 R82.1 R84.1 R89.1 R90.2 R93.2 R94.2 R130.1 R137.1(A[0]) R142.1 R143.1 R144.1 R10793.2 R10794.2 R10795.1 TP3.1(TP) U3.1(IN1) U3.5(VCC) U4.8(VCC) U7.C6(VCCQ1) U7.E6(VCC1) U7.F5(VCC2) U7.J10(VCC3) U7.K9(VCC4) U7.M4(VCCQ2) U7.N4(VCCQ3) U7.P3(VCCQ4) U7.P5(VCCQ5) U15.8(VCC) U16.5(VCC) U17.15(VDDISC) U17.16(VDDIN_3V3_1) U17.17(VDDIN_3V3_2) U17.65(VDDSDHC) U18.8(VDD)
VDD_BU: C18.1 C19.1 R145.1 R10791.1 R10792.1 U17.55(VDDBU)
B2B_3V3: C6.3(OUT) J1.21 J1.22
B2B_12V: C23.1(IN) J1.1 J1.2
BG12: Q5.4(G) U8.14(BG12)
BG36: Q8.4(G) U8.13(BG36)
BG45: Q15.4(G) U8.8(BG45)
BG78: Q19.4(G) U8.7(BG78)
CHASIS_GND: C1.3(G) C2.3(G) C7.1(A[0]) C22.1(A[0]) C24.2(B[0]) D1.2 D2.2 D3.2 D4.2 FB4.1 MH1.1 MH2.1
CONFIG_RST_SW: R10.2 U17.167(PB28)
DATA1: Q5.5(D4) Q5.6(DTAB) Q5.7(DTAB1) Q5.8(DTAB2) Q5.9(PAD) Q6.1(S1) Q6.2(S2) Q6.3(S3) R27.1(A[0]) T1.1(TD_A) U8.15(IN12)
DATA2: Q8.5(D4) Q8.6(DTAB) Q8.7(DTAB1) Q8.8(DTAB2) Q8.9(PAD) Q9.1(S1) Q9.2(S2) Q9.3(S3) R31.1(A[0]) T1.10(TD_D) U8.2(IN36)
DBGU_RXD: J4.3 R66.1
DBGU_TXD: J4.2 R68.1
DISABLE_BOOT: JP1.1 R46.2 U17.126(DIS_BOOT)
EEPROM_WP: R41.1 R50.2 R52.1 U4.7(WP)
EMMC_CLK: R140.2 R142.2 U7.M6(CLK)
EMMC_CMD: R143.2 U7.M5(CMD) U17.76(PA01)
EMMC_D0: NR2.7(N7) U7.A3(DATA0) U17.83(PA02)
EMMC_D1: NR2.8(N8) U7.A4(DATA1) U17.81(PA03)
EMMC_D2: NR2.6(N6) U7.A5(DATA2) U17.84(PA04)
EMMC_D3: NR2.5(N5) U7.B2(DATA3) U17.85(PA05)
EMMC_D4: NR1.5(N5) U7.B3(DATA4) U17.86(PA06)
EMMC_D5: NR1.6(N6) U7.B4(DATA5) U17.79(PA07)
EMMC_D6: NR1.7(N7) U7.B5(DATA6) U17.78(PA08)
EMMC_D7: NR1.8(N8) U7.B6(DATA7) U17.77(PA09)
ETH_LED0: C1.1(A) D1.1 J3.11 U17.36(ETH-LED0)
GPIO_1: TP10.1(TP) U17.22(PD06)
GPIO_2: TP9.1(TP) U17.25(PD07)
GPIO_3: TP8.1(TP) U17.28(PD08)
GPIO_4: TP6.1(TP) U17.30(PD23)
GPIO_5: TP7.1(TP) U17.29(PD24)
GPIO_6: TP5.1(TP) U17.110(PD25)
PA_DISABLE: R43.1 R45.1 U3.3(IN0)
PA_EN_CNTRL: J1.31 R44.2
PG_LDO_3P3: J1.33 U17.134(PB05)
PG_LDO_5V: J1.34 U17.127(PB06)
PG_REG_5P7V: J1.32 U17.125(PB04)
PGA_PWR_DISABLE: J1.25 U17.144(PB29)
PPD: R33.1 U11.14(PPD)
PROG_LED_B1: R109.1 U17.97(PA25)
PROG_LED_B2: R20.1 U17.92(PA12)
PROG_LED_B3: R12.1 U17.168(PB24)
PROG_LED_B4: R6.1 U17.96(PA29)
PROG_LED_G1: R102.1 U17.122(PB01)
PROG_LED_G2: R24.1 U17.82(PA10)
PROG_LED_G3: R100.1 U17.90(PA27)
PROG_LED_G4: R96.1 U17.132(PB09)
PROG_LED_R1: R18.2 U17.93(PA31)
PROG_LED_R2: R105.2 U17.87(PA11)
PROG_LED_R3: R98.2 U17.159(PB25)
PROG_LED_R4: R1.2 U17.148(PB11)
RF_EEPROM_WP: J1.23 U17.163(PB27)
RF_PWR_DETECT_F: R15.1 U17.64(COMPN)
RF_PWR_DETECT_R: R17.1 U17.63(COMPP)
RF_PWR_DISABLE: R16.1 U17.128(PB08)
RF_TEMP_ALERT: J1.35 U17.169(PB26)
RF_THERMTRIP: J1.30 U3.6(IN2) U17.119(PB00)
RX_ATTN_1DB: J1.4 U17.161(PB22)
RX_ATTN_2DB: J1.5 U17.164(PB21)
RX_ATTN_4DB: J1.6 U17.156(PB20)
RX_ATTN_8DB: J1.8 U17.152(PB18)
RX_ATTN_ENB: J1.3 U17.160(PB23)
RX_ATTN_P5DB: J1.7 U17.158(PB19)
RX_ATTN_P16DB: J1.9 U17.157(PB17)
SDHC0_CD_PA13: Q55.D R10794.1 U17.91(PA13)
SDHI_CD: Q54.D R10793.1 U17.94(PA30)
SDHI_CLK: CN1.5(CLK) R69.2 U6.4(CH3)
SDHI_CMD: CN1.3(CMD) R81.1 U6.5(CH4) U17.95(PA28)
SDHI_DAT0: CN1.7(DAT0) R70.1 U6.3(CH2) U17.105(PA18)
SDHI_DAT1: CN1.8(DAT1) R78.1 U6.1(CH1) U17.101(PA19)
SDHI_DAT2: CN1.1(DAT2) R72.1 U6.7(CH6) U17.104(PA20)
SDHI_DAT3: CN1.2(CD/DAT3) R74.1 U6.6(CH5) U17.103(PA21)
SHDN: TP15.1(TP) U17.35(SHDN)
SOM_ETH_LED: C2.1(A) D2.1 J3.9 R47.1
SOM_ETH_RX+: T1.14(XP_D) U12.1(1LNIO1) U12.2(1LNIO2) U12.3(1LNIO3) U17.38(ETH-RXP)
SOM_ETH_RX-: T1.13(XN_D) U12.8(2LNIO1) U12.9(2LNIO2) U12.10(2LNIO3) U17.37(ETH-RXM)
SOM_ETH_TX+: T1.23(XP_A) U13.8(2LNIO1) U13.9(2LNIO2) U13.10(2LNIO3) U17.41(ETH-TXP)
SOM_ETH_TX-: T1.22(XN_A) U13.1(1LNIO1) U13.2(1LNIO2) U13.3(1LNIO3) U17.40(ETH-TXM)
SOM_HSIC_DAT: TP17.1(TP) U17.74(DATA)
SOM_HSIC_STROBE: TP18.1(TP) U17.73(STROBE)
SOM_NRST: D9.A R88.2 R131.1 R133.1 R141.2
SOM_TCK: J5.9 R83.1 R86.1
SOM_TDI: J5.5 R92.1
SOM_TDO: J5.13 R84.2 R87.1
SOM_TMS: J5.7 R82.2 R85.1
SOM_USB_OCR: R89.2 U17.58(PD19)
SOM_USBA_DM: J2.2(DATA-) U5.2 U17.67(USBA_DM)
SOM_USBA_DP: J2.3(DATA+) U5.3 U17.68(USBA_DP)
SOM_USBB_DM: TP14.1(TP) U17.70(USBB_DM)
SOM_USBB_DP: TP16.1(TP) U17.71(USBB_DP)
SOM_WDI_IN: R42.1 U16.4(WDI)
SPARE1: Q15.5(D4) Q15.6(DTAB) Q15.7(DTAB1) Q15.8(DTAB2) Q15.9(PAD) Q17.1(S1) Q17.2(S2) Q17.3(S3) R32.1(A[0]) T1.7(TD_C) U8.3(IN45)
SPARE2: Q19.5(D4) Q19.6(DTAB) Q19.7(DTAB1) Q19.8(DTAB2) Q19.9(PAD) Q20.1(S1) Q20.2(S2) Q20.3(S3) R29.1(A[0]) T1.4(TD_B) U8.6(IN78)
SPI0_CLK: J1.15 R155.1
SPI0_MISO: J1.11 R157.1
SPI0_MOSI: J1.14 R156.1
SPI0_NCS0: J1.12 R158.1
SPI0_NCS1: J1.13 R10800.1
T2P: LED2.K U11.20(T2P)
TG12: Q6.4(G) U8.16(TG12)
TG36: Q9.4(G) U8.1(TG36)
TG45: Q17.4(G) U8.4(TG45)
TG78: Q20.4(G) U8.5(TG78)
THERM_ALERT: R137.2(B[0]) U17.123(PB03) U18.7(NEVENT)
TRXFE_IN_12V: C13.1 C14.1 C23.3(OUT) L1.2 R2.2 R4.2 R5.2 R7.2 R40.1 R132.2 TP1.1
TWI0_CLK: R55.2 R59.1 R125.2
TWI0_DATA: R62.1 R63.2 R124.2
TWI1_CLK: J1.40 R54.2 R56.2 R61.1 R139.1
TWI1_DATA: J1.39 R58.2 R71.1 R73.2 R138.1
TWI2_CLK: J1.38 R75.1 R76.2
TWI2_DATA: J1.37 R79.1 R80.2
TX_ATTN_8DB: J1.16 U17.162(PB15)
TX_ATTN_P16DB: J1.17 U17.154(PB16)
VC: C34.1 C36.1 L2.1 R34.2 U11.6(VC)
VPORTN: C8.2 C25.2(B[0]) FB1.2 Q5.1(S1) Q5.2(S2) Q5.3(S3) Q8.1(S1) Q8.2(S2) Q8.3(S3) Q15.1(S1) Q15.2(S2) Q15.3(S3) Q19.1(S1) Q19.2(S2) Q19.3(S3) R28.2(B[0]) R30.2(B[0]) R110.2(B[0]) R111.2(B[0]) U8.9(OUTN) U8.17(OUTN1)
VPORTP: C8.1 C25.1(A[0]) D11.1 FB2.2 Q6.5(D4) Q6.6(DTAB) Q6.7(DTAB1) Q6.8(DTAB2) Q6.9(PAD) Q9.5(D4) Q9.6(DTAB) Q9.7(DTAB1) Q9.8(DTAB2) Q9.9(PAD) Q17.5(D4) Q17.6(DTAB) Q17.7(DTAB1) Q17.8(DTAB2) Q17.9(PAD) Q20.5(D4) Q20.6(DTAB) Q20.7(DTAB1) Q20.8(DTAB2) Q20.9(PAD) R22.1(A[0]) R23.1(A[0]) R25.1(A[0]) R103.2(B[0]) R106.1(A[0]) R108.1(A[0]) U8.12(OUTP)
N00298: R114.2 U11.17(APD)
N00544: R113.2 U11.18(BLNK)
N00600: R116.2 U11.15(CLS)
N00638: C11.1 R35.1 U11.3(CS)
N00723: M1.1(S1) M1.2(S2) M1.3(S3) R35.2 R36.2
N00785: C38.2 R120.1 U11.1(CTL) U14.4
N00977: R117.1 U11.13(DEN)
N01015: C31.1 C32.1 D7.K D12.A FB2.1 R33.2 R117.2 U11.12(VDD)
N01029: R115.2 U11.16(DT)
N01180: R112.2 U11.19(FRS)
N01231: R119.1 U11.5(GATE)
N01655: C42.2 M1.5(D4) M1.6(DTAB) M1.7(DTAB1) M1.8(DTAB2) T2.2
N01732: R118.1 U11.7(GAT2)
N02001: C37.2 R118.2
N02005: C37.1 D8.A Q11.1(GTE) R122.2
N03008: C42.1 Q11.3(DRN)
N03119: M1.4(G) R119.2
N03568: C35.1 R120.2 R121.2 U11.2(VB)
N03818: C38.1 R121.1
N04034: R126.1 U14.1
N04075: D19.K R38.2 R39.2 R40.2 R126.2
N04460: C45.1 D19.C R38.1
N04575: C12.1 D17.3(K) D19.A R37.1 U14.2
N04656: C46.1 R37.2
N04680: C12.2 C46.2 D17.4(REF) R39.1 R127.2
N06278: LED3.A R132.1
N07766: D14.K D15.K L2.2
N07855: D15.A T2.4
N09594: C31.2 D7.A D13.A FB1.1 R116.1 U11.10(VSS) U11.21(PWRPD)
N10774: C9.1 C10.1 C29.1 C32.2 C33.1 D12.K L3.1 U11.11(VDD1)
N11429: C41.1 L3.2 T2.1
N12017: D20.K M2.5(D4) Q23.C(COLLECTOR) R128.1 T2.9 T2.10
N12028: C47.1 D18.K L1.1 M3.5(D4) M3.6(DTAB) M3.7(DTAB1) M3.8(DTAB2) Q22.C(COLLECTOR) R129.2 T2.6 T2.7
N12332: D18.A M2.4(G) Q22.E(EMITTER)
N12493: C47.2 D22.K(CATHODE) Q22.B(BASE) R129.1
N13989: D21.K(CATHODE) Q23.B(BASE) R128.2
N14160: D20.A M3.4(G) Q23.E(EMITTER)
N35231: LED2.A R34.1
N395134: F1.1 J3.7
N395138: F8.1 T1.3(DN_A) U10.1(LNIN) U10.8(LNOUT2)
N395142: F5.1 T1.2(DP_A) U10.4(LNIN1) U10.5(LNOUT)
N395210: C1.2(B) D4.1 J3.12 R13.1(A[0])
N395250: C24.1(A[0]) C26.2(B[0]) C27.2(B[0]) C28.2(B[0]) C30.2(B[0])
N395254: C26.1(A[0]) R27.2(B[0])
N395258: C28.1(A[0]) R31.2(B[0])
N395262: C30.1(A[0]) R32.2(B[0])
N395266: C27.1(A[0]) R29.2(B[0])
N395314: F6.2 J3.6
N395334: F7.1 T1.11(DP_D) U9.4(LNIN1) U9.5(LNOUT)
N395362: F6.1 T1.12(DN_D) U9.1(LNIN) U9.8(LNOUT2)
N395386: F7.2 J3.3
N395402: F2.1 J3.8
N395406: F4.1 J3.5
N395410: F3.1 T1.8(DP_C) U2.1(LNIN) U2.8(LNOUT2)
N395506: C2.2(B) D3.1 J3.10 R9.1(A[0])
N395776: R108.2(B[0]) U9.7(BIAS+)
N395780: F1.2 T1.5(DP_B) U1.4(LNIN1) U1.5(LNOUT)
N395784: F2.2 T1.6(DN_B) U1.1(LNIN) U1.8(LNOUT2)
N395792: F4.2 T1.9(DN_C) U2.4(LNIN1) U2.5(LNOUT)
N395800: F8.2 J3.2
N395804: F5.2 J3.1
N395816: R111.1(A[0]) U9.2(BIAS-)
N395844: F3.2 J3.4
N397188: C40.2(B[0]) T1.15(TX_D)
N397192: C39.2(B[0]) T1.24(TX_A)
N397214: R106.2(B[0]) U10.7(BIAS+)
N397226: R110.1(A[0]) U10.2(BIAS-)
N399906: D11.2 R23.2(B[0]) U8.11(EN)
N400318: R103.1(A[0]) U8.10(E\N\)
N1148675: R22.2(B[0]) U1.7(BIAS+)
N1148683: R28.1(A[0]) U1.2(BIAS-)
N1148871: R25.2(B[0]) U2.7(BIAS+)
N1148879: R30.1(A[0]) U2.2(BIAS-)
N16782839: R41.2 U17.165(PB30)
N16782840: R43.2 U17.143(PB31)
N16783926: R75.2 U17.102(PA23)
N16783927: R79.2 U17.99(PA24)
N16784147: R69.1 U17.106(PA22)
N16785016: R86.2 U17.53(PD27)
N16785078: R92.2 U17.51(PD28)
N16785081: R87.2 U17.52(PD29)
N16785084: R85.2 U17.54(PD30)
N16821996: R62.2 U17.19(PD21)
N16821997: R59.2 U17.20(PD22)
N16828605: R88.1 U17.60(NRST)
N16828699: R61.2 U17.21(PD05)
N16828700: R71.2 U17.27(PD04)
N16835633: R141.1 U7.K5(NREST)
N16836459: R47.2 U17.124(PB02)
N16836513: R145.2 TP13.1(TP) U17.49(WKUP)
N16836517: TP11.1(TP) U17.32(RXD)
N16838078: C48.2 D23.A R130.2 S2.3 S2.4 U16.3(MRN)
N16838162: R133.2 U16.1(RESETN)
N16880995: J1.29 R17.2
N16881912: R138.2 U18.5(SDA)
N16881928: R136.1(A[0]) U18.1(A0)
N16881935: R139.2 U18.6(SCL)
N16881937: R135.1(A[0]) U18.2(A1)
N16881941: R134.1(A[0]) U18.3(A2)
N16895020: CN1.9(B) CN1.10(A) D10.2 Q54.G R90.1 R91.2
N16895022: C20.1 C21.1 CN1.4(VDD) D10.1 FB3.2
N16900299: R48.1 R49.2 U4.1(A0)
N16900301: R57.1 R60.2 U4.3(A2)
N16900303: R51.2 R53.1 U4.2(A1)
N16900344: R58.1 U4.5(SDA)
N16900372: R54.1 U4.6(SCL)
N16928136: R42.2 U17.133(PB07)
N16936296: J2.1(VBUS) U5.4
N16936923: R44.1 U3.4(Y)
N16993616: C3.2 D5.1 D6.A R10.1 R11.2 S1.2
N17016934: LED1.4(G1) Q16.D
N17016938: LED1.3(B1) Q21.D
N17016942: LED1.2(R1) Q4.D
N17021500: LED1.1(A1) R4.1
N17022278: Q16.G R101.1 R102.2
N17022388: Q21.G R107.1 R109.2
N17022553: Q4.G R18.1 R19.1
N17025782: LED1.5(A2) R7.1
N17025813: LED1.8(G2) Q10.D
N17025815: LED1.7(B2) Q7.D
N17025817: LED1.6(R2) Q18.D
N17025880: Q10.G R24.2 R26.1
N17025886: Q18.G R104.1 R105.1
N17025966: Q7.G R20.2 R21.1
N17028146: LED1.9(A3) R5.1
N17028177: LED1.12(G3) Q14.D
N17028179: LED1.11(B3) Q3.D
N17028181: LED1.10(R3) Q13.D
N17028244: Q14.G R99.1 R100.2
N17028250: Q13.G R97.1 R98.1
N17028330: Q3.G R12.2 R14.1
N17028652: LED1.13(A4) R2.1
N17028683: LED1.16(G4) Q12.D
N17028685: LED1.15(B4) Q2.D
N17028687: LED1.14(R4) Q1.D
N17028750: Q12.G R95.1 R96.2
N17028756: Q1.G R1.1 R3.1 R144.2
N17028836: Q2.G R6.2 R8.1
N17051445: BT1.1(+) D10118.1(A)
N17051485: D10119.2(K) R10792.2
N17051491: D10118.2(K) R10791.2
N17056764: JP2.1 Q55.G R10795.2
N17063560: R155.2 U17.111(PA14)
N17063563: R156.2 U17.109(PA15)
N17063566: R157.2 U17.112(PA16)
N17063569: R158.2 U17.108(PA17)
